# KiCad board Lon6Main.kicad_pcb (continued)
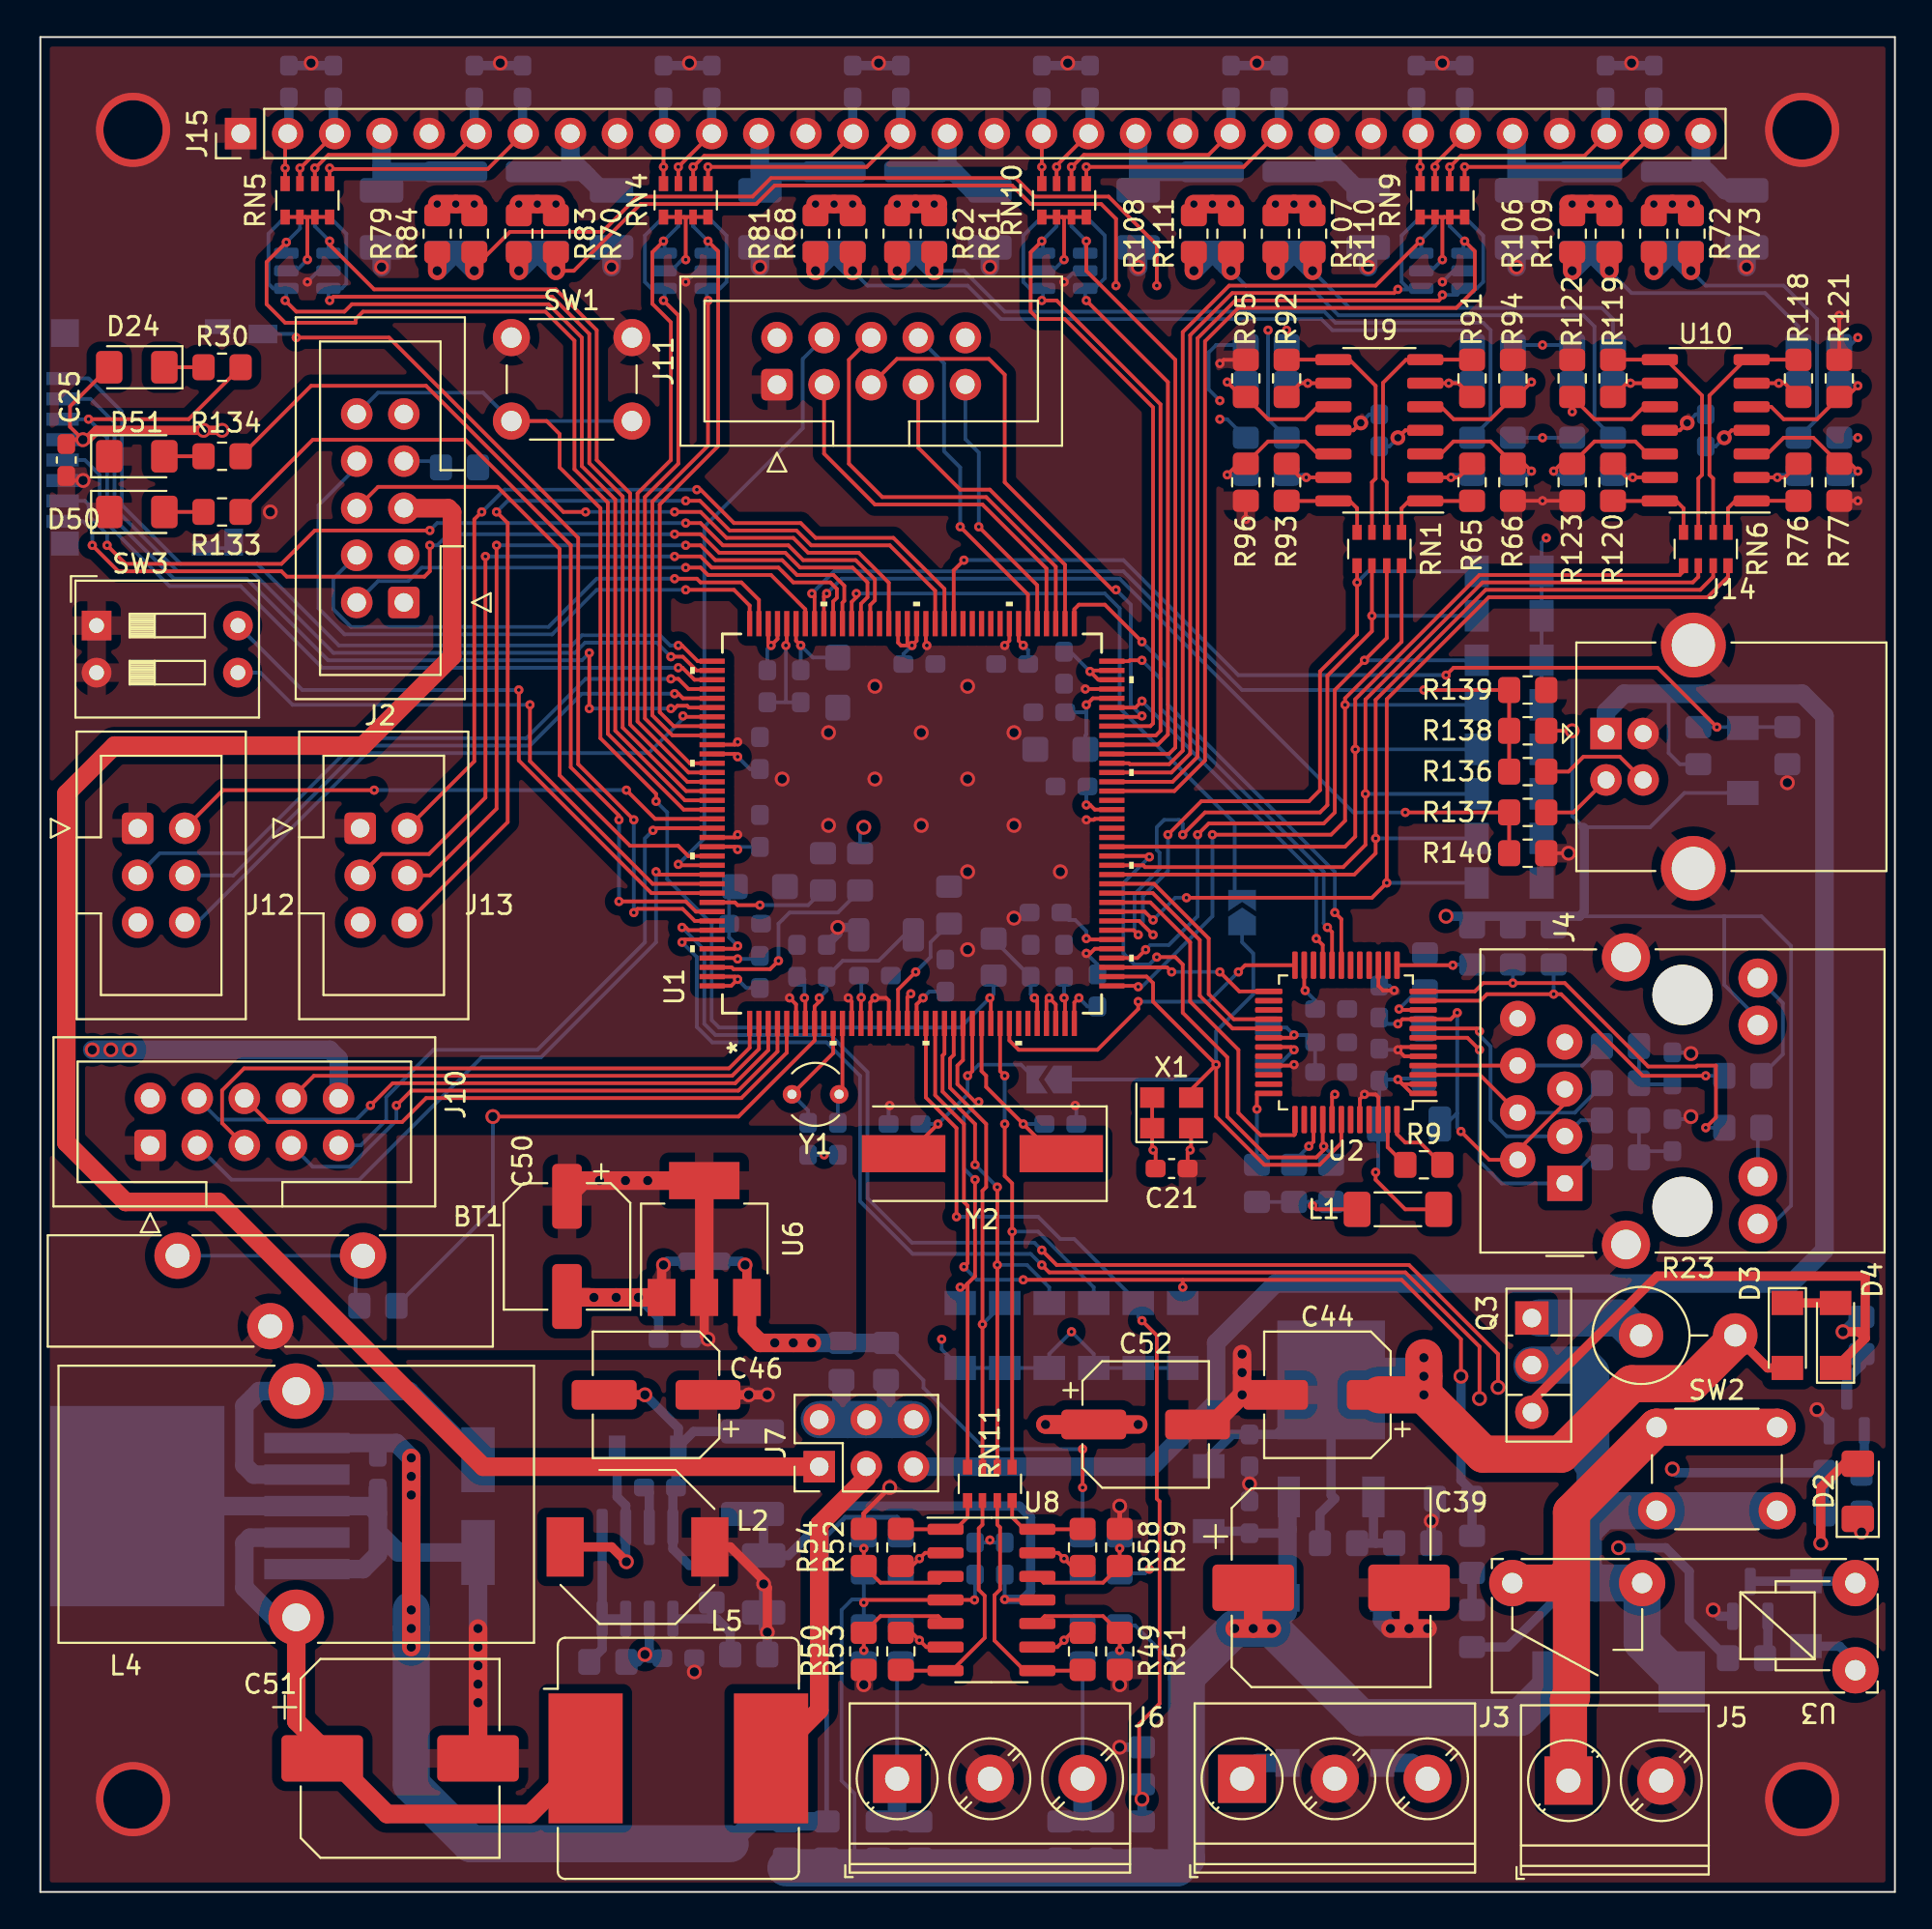
[diagram p0: board, top side]
## Placement (name value [footprint] x y rotation side) (continued)
R139  330k  [R_0805_2012Metric_Pad1.20x1.40mm_HandSolder]  80.2 64.8 180 top
R140  330k  [R_0805_2012Metric_Pad1.20x1.40mm_HandSolder]  80.2 56 180 top
R141  18k  [R_0805_2012Metric_Pad1.20x1.40mm_HandSolder]  89.4 61.8 270 bottom
R142  33k  [R_0805_2012Metric_Pad1.20x1.40mm_HandSolder]  94.2 61.8 90 bottom
RN1  4.7k  [R_Array_Convex_4x0603]  72.2 72.4 270 top
RN2  100  [R_Array_Convex_4x0603]  34.8 91.2 270 bottom
RN3  100  [R_Array_Convex_4x0603]  14.4 91.2 270 bottom
RN4  4.7k  [R_Array_Convex_4x0603]  34.8 91.2 90 top
RN5  4.7k  [R_Array_Convex_4x0603]  14.4 91.2 90 top
RN6  4.7k  [R_Array_Convex_4x0603]  89.8 72.4 270 top
RN7  100  [R_Array_Convex_4x0603]  75.6 91.2 270 bottom
RN8  100  [R_Array_Convex_4x0603]  55.2 91.2 270 bottom
RN9  4.7k  [R_Array_Convex_4x0603]  75.6 91.2 90 top
RN10  4.7k  [R_Array_Convex_4x0603]  55.2 91.2 90 top
RN11  4.7k  [R_Array_Convex_4x0603]  51.2 22 90 top
SW1  SW_Push  [SW_PUSH_6mm]  25.4 83.8 0 top
SW2  SW_Push  [SW_PUSH_6mm]  87.15 25.05 0 top
SW3  SW_DIP_x02  [SW_DIP_SPSTx02_Slide_9.78x7.26mm_W7.62mm_P2.54mm]  3.03 68.28 0 top
U1  STM32H725ZGT6  [LQFP_25ZGT6_STM]  47 57.6 90 top
U2  DM9161A  [LQFP-48_7x7mm_P0.5mm]  70.4 45.8 180 top
U3  SANYOU_SRB_S  [SANYOU_SRB]  97.87 16.65 180 top
U4  LM317_TO-252  [TO-252-2]  69.6 25.5 90 bottom
U5  MC34063AD  [SOIC-8_3.9x4.9mm_P1.27mm]  32.2 17.2 270 bottom
U6  LT1117-3.3  [SOT-223-3_TabPin2]  35.8 35.2 90 top
U7  LM2596S-5  [TO-263-5_TabPin3]  8.6 20.8 180 bottom
U8  TL074  [SOIC-14_3.9x8.7mm_P1.27mm]  51.28 15.74 0 top
U9  MCP6004  [SOIC-14_3.9x8.7mm_P1.27mm]  72.2 78.8 180 top
U10  MCP6004  [SOIC-14_3.9x8.7mm_P1.27mm]  89.8 78.8 180 top
U11  PE1805C4A6  [SOT-23-6]  34.8 87.4 180 bottom
U12  PE1805C4A6  [SOT-23-6]  14.4 87.4 180 bottom
U13  PE1805C4A6  [SOT-23-6]  75.6 87.4 180 bottom
U14  PE1805C4A6  [SOT-23-6]  55.2 87.4 180 bottom
X1  ASE-xxxMHz  [Oscillator_SMD_Abracon_ASE-4Pin_3.2x2.5mm]  61 42 0 top
Y1  Crystal  [Crystal_AT310_D3.0mm_L10.0mm_Vertical]  43.07 43 180 top
Y2  25MHz  [Crystal_SMD_HC49-SD]  50.8 39.8 180 top

## Footprints (pads in the part's own frame, mm; a bottom-side part is the same pattern mirrored in y, then rotated)
C_0603_1608Metric_Pad1.08x0.95mm_HandSolder
  rrect 1.075x0.95 smd: 1(-0.863,0) 2(0.863,0)
C_1206_3216Metric
  rrect 1.15x1.8 smd: 1(-1.475,0) 2(1.475,0)
CP_EIA-3216-18_Kemet-A
  rrect 1.4x1.35 smd: 1(-1.35,0) 2(1.35,0)
CP_EIA-3528-21_Kemet-B
  rrect 1.325x2.35 smd: 1(-1.538,0) 2(1.538,0)
CP_Elec_6.3x5.3
  rrect 3.5x1.6 smd: 1(-2.8,0) 2(2.8,0)
CP_Elec_6.3x5.7
  rrect 3.5x1.6 smd: 1(-2.7,0) 2(2.7,0)
CP_Elec_6.3x5.9
  rrect 3.5x1.6 smd: 1(-2.8,0) 2(2.8,0)
CP_Elec_10x10.5
  rrect 4.4x2.5 smd: 1(-4.2,0) 2(4.2,0)
Crystal_AT310_D3.0mm_L10.0mm_Vertical
  round 1 hole 0.5: 1(0,0) 2(2.54,0)
Crystal_SMD_HC49-SD
  rect 4.5x2 smd: 1(-4.25,0) 2(4.25,0)
D_MiniMELF
  rect 1.3x1.7 smd: 1(-1.75,0) 2(1.75,0)
D_SMA_Handsoldering
  rect 3.5x1.8 smd: 1(-2.5,0) 2(2.5,0)
D_SMC
  rect 2.5x3.3 smd: 1(-3.4,0) 2(3.4,0)
D_SOD-123
  rect 0.9x1.2 smd: 1(-1.65,0) 2(1.65,0)
Diode_Bridge_OnSemi_SDIP-4L
  rect 1.5x1.3 smd: 1(-4.45,2.55) 2(-4.45,-2.55) 3(4.45,-2.55) 4(4.45,2.55)
DS-1092_CR2032_VERTICAL
  round 2.5 hole 1.3: 1(-5,1.9) 1(5,1.9) 2(0,-1.9)
IDC-Header_2x03_P2.54mm_Vertical
  rrect 1.7x1.7 hole 1: 1(0,0)
  round 1.7 hole 1: 2(2.54,0) 3(0,-2.54) 4(2.54,-2.54) 5(0,-5.08) 6(2.54,-5.08)
IDC-Header_2x05_P2.54mm_Vertical
  rrect 1.7x1.7 hole 1: 1(0,0)
  round 1.7 hole 1: 2(2.54,0) 3(0,-2.54) 4(2.54,-2.54) 5(0,-5.08) 6(2.54,-5.08) 7(0,-7.62) 8(2.54,-7.62) 9(0,-10.16) 10(2.54,-10.16)
L_1206_3216Metric_Pad1.22x1.90mm_HandSolder
  rrect 1.225x1.9 smd: 1(-1.663,0) 2(1.663,0)
L_1806_4516Metric_Pad1.45x1.90mm_HandSolder
  rrect 1.45x1.9 smd: 1(-2.2,0) 2(2.2,0)
L_1812_4532Metric
  rrect 1.125x3.4 smd: 1(-2.138,0) 2(2.138,0)
L_1812_4532Metric_Pad1.30x3.40mm_HandSolder
  rrect 1.3x3.4 smd: 1(-2.225,0) 2(2.225,0)
L_Bourns-SRU8028_8.0x8.0mm
  rect 2x3.2 smd: 1(-3.9,0) 2(3.9,0)
L_Bourns_SRR1208_12.7x12.7mm
  rect 4x7 smd: 1(-5,0) 2(5,0)
L_Toroid_Vertical_L25.4mm_W14.7mm_P12.20mm_Vishay_TJ5_BigPads
  round 3 hole 1.5: 1(0,0) 2(0,-12.2)
LED_1206_3216Metric_Pad1.42x1.75mm_HandSolder
  rrect 1.425x1.75 smd: 1(-1.488,0) 2(1.488,0)
LQFP-48_7x7mm_P0.5mm
  rrect 1.475x0.3 smd: 1(-4.162,2.75) 2(-4.162,2.25) 3(-4.162,1.75) 4(-4.162,1.25) 5(-4.162,0.75) 6(-4.162,0.25) 7(-4.162,-0.25) 8(-4.162,-0.75) 9(-4.162,-1.25) 10(-4.162,-1.75) 11(-4.162,-2.25) 12(-4.162,-2.75) 25(4.162,-2.75) 26(4.162,-2.25) 27(4.162,-1.75) 28(4.162,-1.25) 29(4.162,-0.75) 30(4.162,-0.25) 31(4.162,0.25) 32(4.162,0.75) 33(4.162,1.25) 34(4.162,1.75) 35(4.162,2.25) 36(4.162,2.75)
  rrect 0.3x1.475 smd: 13(-2.75,-4.162) 14(-2.25,-4.162) 15(-1.75,-4.162) 16(-1.25,-4.162) 17(-0.75,-4.162) 18(-0.25,-4.162) 19(0.25,-4.162) 20(0.75,-4.162) 21(1.25,-4.162) 22(1.75,-4.162) 23(2.25,-4.162) 24(2.75,-4.162) 37(2.75,4.162) 38(2.25,4.162) 39(1.75,4.162) 40(1.25,4.162) 41(0.75,4.162) 42(0.25,4.162) 43(-0.25,4.162) 44(-0.75,4.162) 45(-1.25,4.162) 46(-1.75,4.162) 47(-2.25,4.162) 48(-2.75,4.162)
LQFP_25ZGT6_STM
  rect 1.359x0.279 smd: 1(-10.776,8.752) 2(-10.776,8.252) 3(-10.776,7.752) 4(-10.776,7.252) 5(-10.776,6.752) 6(-10.776,6.252) 7(-10.776,5.751) 8(-10.776,5.251) 9(-10.776,4.751) 10(-10.776,4.251) 11(-10.776,3.751) 12(-10.776,3.251) 13(-10.776,2.751) 14(-10.776,2.251) 15(-10.776,1.75) 16(-10.776,1.25) 17(-10.776,0.75) 18(-10.776,0.25) 19(-10.776,-0.25) 20(-10.776,-0.75) 21(-10.776,-1.25) 22(-10.776,-1.75) 23(-10.776,-2.251) 24(-10.776,-2.751) 25(-10.776,-3.251) 26(-10.776,-3.751) 27(-10.776,-4.251) 28(-10.776,-4.751) 29(-10.776,-5.251) 30(-10.776,-5.751) 31(-10.776,-6.252) 32(-10.776,-6.752) 33(-10.776,-7.252) 34(-10.776,-7.752) 35(-10.776,-8.252) 36(-10.776,-8.752) 73(10.776,-8.752) 74(10.776,-8.252) 75(10.776,-7.752) 76(10.776,-7.252) 77(10.776,-6.752) 78(10.776,-6.252) 79(10.776,-5.751) 80(10.776,-5.251) 81(10.776,-4.751) 82(10.776,-4.251) 83(10.776,-3.751) 84(10.776,-3.251) 85(10.776,-2.751) 86(10.776,-2.251) 87(10.776,-1.75) 88(10.776,-1.25) 89(10.776,-0.75) 90(10.776,-0.25) 91(10.776,0.25) 92(10.776,0.75) 93(10.776,1.25) 94(10.776,1.75) 95(10.776,2.251) 96(10.776,2.751) 97(10.776,3.251) 98(10.776,3.751) 99(10.776,4.251) 100(10.776,4.751) 101(10.776,5.251) 102(10.776,5.751) 103(10.776,6.252) 104(10.776,6.752) 105(10.776,7.252) 106(10.776,7.752) 107(10.776,8.252) 108(10.776,8.752)
  rect 0.279x1.359 smd: 37(-8.752,-10.776) 38(-8.252,-10.776) 39(-7.752,-10.776) 40(-7.252,-10.776) 41(-6.752,-10.776) 42(-6.252,-10.776) 43(-5.751,-10.776) 44(-5.251,-10.776) 45(-4.751,-10.776) 46(-4.251,-10.776) 47(-3.751,-10.776) 48(-3.251,-10.776) 49(-2.751,-10.776) 50(-2.251,-10.776) 51(-1.75,-10.776) 52(-1.25,-10.776) 53(-0.75,-10.776) 54(-0.25,-10.776) 55(0.25,-10.776) 56(0.75,-10.776) 57(1.25,-10.776) 58(1.75,-10.776) 59(2.251,-10.776) 60(2.751,-10.776) 61(3.251,-10.776) 62(3.751,-10.776) 63(4.251,-10.776) 64(4.751,-10.776) 65(5.251,-10.776) 66(5.751,-10.776) 67(6.252,-10.776) 68(6.752,-10.776) 69(7.252,-10.776) 70(7.752,-10.776) 71(8.252,-10.776) 72(8.752,-10.776) 109(8.752,10.776) 110(8.252,10.776) 111(7.752,10.776) 112(7.252,10.776) 113(6.752,10.776) 114(6.252,10.776) 115(5.751,10.776) 116(5.251,10.776) 117(4.751,10.776) 118(4.251,10.776) 119(3.751,10.776) 120(3.251,10.776) 121(2.751,10.776) 122(2.251,10.776) 123(1.75,10.776) 124(1.25,10.776) 125(0.75,10.776) 126(0.25,10.776) 127(-0.25,10.776) 128(-0.75,10.776) 129(-1.25,10.776) 130(-1.75,10.776) 131(-2.251,10.776) 132(-2.751,10.776) 133(-3.251,10.776) 134(-3.751,10.776) 135(-4.251,10.776) 136(-4.751,10.776) 137(-5.251,10.776) 138(-5.751,10.776) 139(-6.252,10.776) 140(-6.752,10.776) 141(-7.252,10.776) 142(-7.752,10.776) 143(-8.252,10.776) 144(-8.752,10.776)
microSD_HC_Hirose_DM3D-SF
  rect 0.7x1.75 smd: 1(3.175,-5.35) 2(2.075,-5.35) 3(0.975,-5.35) 4(-0.125,-5.35) 5(-1.225,-5.35) 6(-2.325,-5.35) 7(-3.425,-5.35) 8(-4.525,-5.35)
  rect 1.45x1 smd: 9(-5.65,3.875)
  rect 1x1.55 smd: 10(5.575,5.45)
  rect 0.8x1.5 smd: 11(-5.975,2.375)
  rect 1.3x1.5 smd: 11(-5.725,-5.225)
  rect 1.5x1.5 smd: 11(5.625,-5.225)
  rect 0.8x1.4 smd: 11(5.975,3.025)
Oscillator_SMD_Abracon_ASE-4Pin_3.2x2.5mm
  rect 1.3x1.1 smd: 1(-1.05,-0.825) 2(1.05,-0.825) 3(1.05,0.825) 4(-1.05,0.825)
PinHeader_1x32_P2.54mm_Vertical
  rect 1.7x1.7 hole 1: 1(0,0)
  oval 1.7x1.7 hole 1: 2(0,-2.54) 3(0,-5.08) 4(0,-7.62) 5(0,-10.16) 6(0,-12.7) 7(0,-15.24) 8(0,-17.78) 9(0,-20.32) 10(0,-22.86) 11(0,-25.4) 12(0,-27.94) 13(0,-30.48) 14(0,-33.02) 15(0,-35.56) 16(0,-38.1) 17(0,-40.64) 18(0,-43.18) 19(0,-45.72) 20(0,-48.26) 21(0,-50.8) 22(0,-53.34) 23(0,-55.88) 24(0,-58.42) 25(0,-60.96) 26(0,-63.5) 27(0,-66.04) 28(0,-68.58) 29(0,-71.12) 30(0,-73.66) 31(0,-76.2) 32(0,-78.74)
PinHeader_2x03_P2.54mm_Vertical
  rect 1.7x1.7 hole 1: 1(0,0)
  oval 1.7x1.7 hole 1: 2(2.54,0) 3(0,-2.54) 4(2.54,-2.54) 5(0,-5.08) 6(2.54,-5.08)
R_0805_2012Metric_Pad1.20x1.40mm_HandSolder
  rrect 1.2x1.4 smd: 1(-1,0) 2(1,0)
R_Array_Convex_4x0603
  rect 0.8x0.5 smd: 1(-0.9,1.2) 4(-0.9,-1.2) 5(0.9,-1.2) 8(0.9,1.2)
  rect 0.8x0.4 smd: 2(-0.9,0.4) 3(-0.9,-0.4) 6(0.9,-0.4) 7(0.9,0.4)
R_Axial_DIN0516_L15.5mm_D5.0mm_P5.08mm_Vertical
  round 2.4 hole 1.2: 1(0,0)
  oval 2.4x2.4 hole 1.2: 2(5.08,0)
RJ45_Bel_SI-60062-F
  round 3.25 hole 3.25 unplated: (-1.27,-6.35) (10.16,-6.35)
  rect 1.9x1.9 hole 0.9: 1(0,0)
  round 1.9 hole 0.9: 2(1.27,2.54) 3(2.54,0) 4(3.81,2.54) 5(5.08,0) 6(6.35,2.54) 7(7.62,0) 8(8.89,2.54)
  round 2.1 hole 1.1: L1(-2.18,-10.41) L2(0.36,-10.41) L3(8.53,-10.41) L4(11.07,-10.41)
  round 2.6 hole 1.6: SH(-3.3,-3.3) SH(12.19,-3.3)
SANYOU_SRB
  round 2.5 hole 1.1: 1(0,0) 2(0,4.7) 3(11.5,0) 4(18.5,0)
SOIC-8_3.9x4.9mm_P1.27mm
  rrect 1.95x0.6 smd: 1(-2.475,1.905) 2(-2.475,0.635) 3(-2.475,-0.635) 4(-2.475,-1.905) 5(2.475,-1.905) 6(2.475,-0.635) 7(2.475,0.635) 8(2.475,1.905)
SOIC-14_3.9x8.7mm_P1.27mm
  rrect 1.95x0.6 smd: 1(-2.475,3.81) 2(-2.475,2.54) 3(-2.475,1.27) 4(-2.475,0) 5(-2.475,-1.27) 6(-2.475,-2.54) 7(-2.475,-3.81) 8(2.475,-3.81) 9(2.475,-2.54) 10(2.475,-1.27) 11(2.475,0) 12(2.475,1.27) 13(2.475,2.54) 14(2.475,3.81)
SolderJumper-2_P1.3mm_Open_TrianglePad1.0x1.5mm
  custom 1.5x1.5 smd: 1(-0.725,0)
  custom 1.15x1.5 smd: 2(0.725,0)
SOT-23
  rrect 1.475x0.6 smd: 1(-0.938,0.95) 2(-0.938,-0.95) 3(0.938,0)
SOT-23-6
  rrect 1.325x0.6 smd: 1(-1.137,0.95) 2(-1.137,0) 3(-1.137,-0.95) 4(1.137,-0.95) 5(1.137,0) 6(1.137,0.95)
SOT-223-3_TabPin2
  rect 2x1.5 smd: 1(-3.15,2.3) 2(-3.15,0) 3(-3.15,-2.3)
  rect 2x3.8 smd: 2(3.15,0)
SW_DIP_SPSTx02_Slide_9.78x7.26mm_W7.62mm_P2.54mm
  rect 1.6x1.6 hole 0.8: 1(0,0)
  oval 1.6x1.6 hole 0.8: 2(0,-2.54) 3(7.62,-2.54) 4(7.62,0)
SW_PUSH_6mm
  round 2 hole 1.1: 1(0,0) 1(6.5,0) 2(0,-4.5) 2(6.5,-4.5)
TerminalBlock_Phoenix_PT-1,5-2-5.0-H_1x02_P5.00mm_Horizontal
  rect 2.6x2.6 hole 1.3: 1(0,0)
  round 2.6 hole 1.3: 2(5,0)
TerminalBlock_Phoenix_PT-1,5-3-5.0-H_1x03_P5.00mm_Horizontal
  rect 2.6x2.6 hole 1.3: 1(0,0)
  round 2.6 hole 1.3: 2(5,0) 3(10,0)
TO-126-3_Vertical
  rect 1.8x1.8 hole 1: 1(0,0)
  oval 1.8x1.8 hole 1: 2(2.54,0) 3(5.08,0)
TO-252-2
  rect 3.05x2.75 smd: (0.425,-1.525) (0.425,1.525) (3.775,-1.525) (3.775,1.525)
  rect 2.2x1.2 smd: 1(-4.2,2.28) 3(-4.2,-2.28)
  rect 6.4x5.8 smd: 2(2.1,0)
TO-263-5_TabPin3
  rect 4.55x5.25 smd: (0.95,-2.775) (0.95,2.775) (5.8,-2.775) (5.8,2.775)
  rect 4.6x1.1 smd: 1(-5.775,3.4) 2(-5.775,1.7) 3(-5.775,0) 4(-5.775,-1.7) 5(-5.775,-3.4)
  rect 9.4x10.8 smd: 3(3.375,0)
USB_B_OST_USB-B1HSxx_Horizontal
  rect 1.7x1.7 hole 0.92: 1(0,0)
  round 1.7 hole 0.92: 2(0,-2.5) 3(2,-2.5) 4(2,0)
  round 3.5 hole 2.33: 5(4.71,4.77) 5(4.71,-7.27)

## Nets
+5V: C41.1 C52.1 C61.1 C71.1 D1.1 D2.2 D10.1 D11.1 D12.1 D13.1 D14.1 D15.1 D16.1 D17.1 J7.2 J7.4 J7.6 J10.10 J11.10 R31.1 R41.1 R42.1 R47.1 R61.2 R62.2 R63.1 R68.2 R70.2 R72.2 R73.2 R74.1 R79.2 R81.2 R83.2 R84.2 R85.1 R87.1 R89.1 R106.2 R107.2 R108.2 R109.2 R110.2 R111.2 R112.1 R114.1 R116.1 RN4.1 RN4.2 RN4.3 RN4.4 RN5.1 RN5.2 RN5.3 RN5.4 RN9.1 RN9.2 RN9.3 RN9.4 RN10.1 RN10.2 RN10.3 RN10.4 U3.2 U5.6 U9.4 U10.4 U11.5 U12.5 U13.5 U14.5
+15V: C43.1 C44.1 D3.2 D6.2 R23.2 R27.2 U4.2
-5V: C48.2 C54.2 L3.2 U8.11
/5V_JTAG: J2.5 J7.1
/5V_USB: J7.5 J14.1 R141.2
/VBAT: C8.1 C10.1 R2.2 U1.8
GND: BT1.2 C1.2 C2.2 C3.1 C4.1 C5.2 C6.2 C7.2 C8.2 C9.2 C10.2 C11.2 C12.2 C13.2 C14.1 C15.2 C16.2 C17.2 C18.2 C19.1 C20.2 C21.2 C22.2 C23.2 C24.2 C25.2 C26.2 C27.2 C29.2 C30.2 C31.2 C32.2 C33.2 C34.2 C35.1 C36.1 C37.2 C38.2 C39.2 C40.2 C41.2 C43.2 C44.2 C45.2 C46.1 C47.2 C48.1 C49.2 C50.2 C51.2 C52.2 C53.2 C54.1 C55.2 C56.2 C57.2 C58.2 C59.2 C60.2 C61.2 C62.2 C63.2 C64.2 C65.2 C66.2 C67.2 C68.2 C69.2 C70.2 C71.2 C72.2 C73.2 C74.2 C75.2 C76.2 C77.2 C78.2 C79.2 C80.2 D5.2 D9.2 D50.1 D51.1 J1.6 J1.9 J1.11 J2.3 J3.2 J4.8 J4.SH J5.2 J6.2 J10.1 J11.1 J12.1 J13.1 J14.4 J14.5 J15.1 J15.5 J15.9 J15.13 J15.17 J15.21 J15.25 J15.29 L2.2 Q1.2 Q2.2 R3.2 R5.2 R7.1 R25.1 R28.1 R29.1 R34.1 R51.2 R53.2 R54.2 R59.2 R66.2 R77.2 R94.2 R95.2 R96.2 R121.2 R122.2 R123.2 R135.1 R139.1 R140.1 R142.1 SW1.1 SW3.1 SW3.2 U1.6 U1.12 U1.14 U1.16 U1.18 U1.33 U1.34 U1.41 U1.55 U1.69 U1.80 U1.89 U1.104 U1.118 U1.128 U1.141 U2.5 U2.6 U2.15 U2.33 U2.44 U2.46 U6.1 U7.3 U7.5 U9.11 U10.11 U11.2 U12.2 U13.2 U14.2 X1.2
VDD: C2.1 C15.1 C16.1 C17.1 C18.1 C20.1 C21.1 C22.1 C23.1 C24.1 C25.1 C26.1 C27.1 C29.1 C30.1 C31.1 C32.1 C33.1 C34.1 C49.1 C50.1 D18.1 D19.1 D20.1 D21.1 D22.1 D23.1 D24.2 D52.1 J1.4 J2.1 J4.L1 J4.L3 J10.2 J11.2 J12.5 J13.5 L1.1 R1.1 R4.2 R6.1 R8.1 R10.2 R33.2 R55.2 R56.2 R60.1 R138.2 U1.7 U1.13 U1.19 U1.32 U1.36 U1.42 U1.56 U1.70 U1.71 U1.79 U1.90 U1.91 U1.92 U1.105 U1.106 U1.119 U1.129 U1.143 U1.144 U2.23 U2.30 U2.41 U6.2 X1.1 X1.4
VDDA: C37.1 C38.1 FB1.1 L1.2 U2.1 U2.2
/C_SENSE_CORE: D23.2 RN11.5 U1.28
/C_SENSE_EXT_A: D22.2 RN11.7 U1.23
/C_SENSE_EXT_B: D20.2 RN11.6 U1.22
/C_SENSE_MAIN: D21.2 RN11.8 U1.24
/C_SENSE_PORT0: D14.2 RN6.8 U1.45
/C_SENSE_PORT1: D15.2 RN6.7 U1.49
/C_SENSE_PORT2: D16.2 RN6.6 U1.50
/C_SENSE_PORT3: D17.2 RN6.5 U1.52
/C_SENSE_PORT4: D10.2 RN1.8 U1.37
/C_SENSE_PORT5: D11.2 RN1.7 U1.40
/C_SENSE_PORT6: D12.2 RN1.6 U1.43
/C_SENSE_PORT7: D13.2 RN1.5 U1.44
/CAN_RX: J12.3 U1.112
/CAN_TX: J12.4 U1.113
/CAN_U1: J12.6 U1.115
/CAN_U2: J12.2 U1.126
/CLK_50MHZ: JP1.1 JP2.1 U1.38 U2.42 X1.3
/ETH_CRS_DV: U1.46 U2.37
/ETH_MDC: U1.29 U2.24
/ETH_MDIO: U1.39 U2.25
/ETH_RESET: R6.2 U1.51 U2.40
/ETH_RXD0: U1.47 U2.29
/ETH_RXD1: U1.48 U2.28
/ETH_TXD0: U1.72 U2.20
/ETH_TXD1: U1.73 U2.19
/ETH_TXEN: U1.67 U2.21
/Ethernet/L0: R13.1 R33.1 U2.11
/Ethernet/L1: R14.1 R55.1 U2.12
/Ethernet/L2: R56.1 U2.13
/Ethernet/RD+: J4.4 R11.2 U2.3
/Ethernet/RD-: J4.6 R12.2 U2.4
/Ethernet/TD+: J4.1 R15.2 U2.7
/Ethernet/TD-: J4.3 R16.2 U2.8
/LED1: R133.2 U1.136
/LED2: R134.2 U1.137
/MCO1: JP1.2 U1.97
/PIN_CLK0: C78.1 J15.31 RN7.4 RN9.5
/PIN_CLK1: C76.1 J15.27 RN7.2 RN9.7
/PIN_CLK2: C69.1 J15.23 RN8.4 RN10.5
/PIN_CLK3: C77.1 J15.19 RN8.2 RN10.7
/PIN_CLK4: C68.1 J15.15 RN2.4 RN4.5
/PIN_CLK5: C60.1 J15.11 RN2.2 RN4.7
/PIN_CLK6: C56.1 J15.7 RN3.4 RN5.5
/PIN_CLK7: C65.1 J15.3 RN3.2 RN5.7
/PIN_DATA0: C70.1 J15.30 RN7.3 RN9.6
/PIN_DATA1: C79.1 J15.26 RN7.1 RN9.8
/PIN_DATA2: C75.1 J15.22 RN8.3 RN10.6
/PIN_DATA3: C80.1 J15.18 RN8.1 RN10.8
/PIN_DATA4: C57.1 J15.14 RN2.3 RN4.6
/PIN_DATA5: C66.1 J15.10 RN2.1 RN4.8
/PIN_DATA6: C59.1 J15.6 RN3.3 RN5.6
/PIN_DATA7: C67.1 J15.2 RN3.1 RN5.8
/PIN_PWR0: C58.1 J15.32 L7.2
/PIN_PWR1: C72.1 J15.28 L11.2
/PIN_PWR2: C73.1 J15.24 L12.2
/PIN_PWR3: C74.1 J15.20 L13.2
/PIN_PWR4: C55.1 J15.16 L6.2
/PIN_PWR5: C62.1 J15.12 L8.2
/PIN_PWR6: C63.1 J15.8 L9.2
/PIN_PWR7: C64.1 J15.4 L10.2
/PORT_CLK0: RN7.5 U1.59 U13.3
/PORT_CLK1: RN7.7 U1.61 U13.6
/PORT_CLK2: RN8.5 U1.63 U14.3
/PORT_CLK3: RN8.7 U1.65 U14.6
/PORT_CLK4: RN2.5 U1.117 U11.3
/PORT_CLK5: RN2.7 U1.121 U11.6
/PORT_CLK6: RN3.5 U1.123 U12.3
/PORT_CLK7: RN3.7 U1.125 U12.6
/PORT_DATA0: RN7.6 U1.58 U13.1
/PORT_DATA1: RN7.8 U1.60 U13.4
/PORT_DATA2: RN8.6 U1.62 U14.1
/PORT_DATA3: RN8.8 U1.64 U14.4
/PORT_DATA4: RN2.6 U1.116 U11.1
/PORT_DATA5: RN2.8 U1.120 U11.4
/PORT_DATA6: RN3.6 U1.122 U12.1
/PORT_DATA7: RN3.8 U1.124 U12.4
/Power/V_MAIN: C39.1 C40.1 C53.1 D5.1 D6.1 D7.1 R17.1 R26.2 R35.2 R36.2 R37.2 R38.2 R39.1 R40.1 R43.1 R45.1 U4.3 U8.4
/PWR_ACU_ENA: R19.2 U1.139
/PWR_ACU_LOAD: R20.2 R21.1 U1.138
/RESET: J2.10 R1.2 SW1.2 U1.27
/SD_CLK: J1.5 U1.111
/SD_CMD: J1.3 R30.2 U1.114
/SD_D0: J1.7 U1.95
/SD_D1: J1.8 U1.96
/SD_D2: J1.1 U1.109
/SD_D3: J1.2 U1.110
/SD_DET_A: J1.10 U1.93
/SPI2_INT: J11.8 U1.78
/SPI2_MISO: J11.7 U1.74
/SPI2_MOSI: J11.6 U1.75
/SPI2_NSS: J11.4 U1.131
/SPI2_SCK: J11.5 U1.66
/SPI2_U1: J11.3 U1.76
/SPI2_U2: J11.9 U1.77
/SPI4_INT: J10.8 U1.2
/SPI4_MISO: J10.7 U1.4
/SPI4_MOSI: J10.6 U1.5
/SPI4_NSS: J10.4 U1.3
/SPI4_SCK: J10.5 U1.1
/SPI4_U1: J10.3 U1.132
/SPI4_U2: J10.9 U1.127
/SW_DIP_1: SW3.3 U1.133
/SW_DIP_2: SW3.4 U1.134
/TCK: J2.4 U1.107
/TDI: J2.8 U1.108
/TDO: J2.6 U1.130
/TMS: J2.2 U1.102
/USART_RXD: J13.3 U1.99
/USART_TXD: J13.4 U1.98
/USART_U1: J13.6 U1.88
/USART_U2: J13.2 U1.87
/USB_DM: R137.2 R140.2 U1.100
/USB_DP: R136.2 R138.1 R139.2 U1.101
/USB_SENSE: D52.2 R141.1 R142.2 U1.86
/V_SENSE_ACU: D18.2 R24.1 R25.2 U1.21
/V_SENSE_MAIN: D19.2 R26.1 R29.2 U1.20
/VCAP1: C6.1 C7.1 U1.68
/VCAP2: C9.1 C11.1 U1.140
/VCAP3: C12.1 C13.1 U1.103
Net-(BT1-Pad1): BT1.1 R2.1
Net-(C1-Pad1): C1.1 FB1.2 J4.2 J4.5 U2.9
Net-(C3-Pad2): C3.2 U1.10 Y1.2
Net-(C4-Pad2): C4.2 U1.11 Y1.1
Net-(C5-Pad1): C5.1 U1.35
Net-(C14-Pad2): C14.2 JP2.2 U1.25 Y2.2
Net-(C19-Pad2): C19.2 U1.26 Y2.1
Net-(C35-Pad2): C35.2 R11.1 R12.1
Net-(C36-Pad2): C36.2 R15.1 R16.1
Net-(C42-Pad1): C42.1 U5.3
Net-(C42-Pad2): C42.2 C46.2 D8.2 L3.1 R32.2 U5.4
Net-(C45-Pad1): C45.1 R41.2 R42.2 R48.1 U6.3
Net-(C47-Pad1): C47.1 R39.2 R40.2 R46.1 U7.1
Net-(C51-Pad1): C51.1 L4.2 L5.1 U7.4
Net-(D1-Pad2): D1.2 Q1.3 U3.1
Net-(D2-Pad1): D2.1 R21.2
Net-(D3-Pad1): D3.1 D4.2
Net-(D4-Pad1): D4.1 Q3.3 R22.2
Net-(D5-Pad3): D5.3 J3.3
Net-(D5-Pad4): D5.4 J3.1
Net-(D7-Pad2): D7.2 Q3.2 R57.2 SW2.2 U3.3
Net-(D8-Pad1): D8.1 L2.1 U5.2
Net-(D9-Pad1): D9.1 L4.1 U7.2
Net-(D24-Pad1): D24.1 R30.1
Net-(D50-Pad2): D50.2 R133.1
Net-(D51-Pad2): D51.2 R134.1
Net-(J2-Pad7): J2.7 R3.1
Net-(J4-PadL2): J4.L2 R14.2
Net-(J4-PadL4): J4.L4 R13.2
Net-(J5-Pad1): J5.1 SW2.1 U3.4
Net-(J6-Pad1): J6.1 R35.1 R36.1 R44.1
Net-(J6-Pad3): J6.3 R18.1 R37.1 R38.1
Net-(J7-Pad3): J7.3 L5.2
Net-(J14-Pad2): J14.2 R137.1
Net-(J14-Pad3): J14.3 R136.1
Net-(L6-Pad1): L6.1 R61.1 R62.1 R64.1
Net-(L7-Pad1): L7.1 R72.1 R73.1 R75.1
Net-(L8-Pad1): L8.1 R68.1 R81.1 R86.1
Net-(L9-Pad1): L9.1 R70.1 R83.1 R88.1
Net-(L10-Pad1): L10.1 R79.1 R84.1 R90.1
Net-(L11-Pad1): L11.1 R106.1 R109.1 R113.1
Net-(L12-Pad1): L12.1 R107.1 R110.1 R115.1
Net-(L13-Pad1): L13.1 R108.1 R111.1 R117.1
Net-(Q1-Pad1): Q1.1 R19.1
Net-(Q2-Pad1): Q2.1 R20.1
Net-(Q2-Pad3): Q2.3 R22.1
Net-(Q3-Pad1): Q3.1 R23.1
Net-(R4-Pad1): R4.1 U1.142
Net-(R5-Pad1): R5.1 U1.135
Net-(R7-Pad2): R7.2 U2.10
Net-(R8-Pad2): R8.2 U2.39
Net-(R9-Pad1): R9.1 U2.47
Net-(R9-Pad2): R9.2 U2.48
Net-(R10-Pad1): R10.1 U2.31
Net-(R17-Pad2): R17.2 R51.1 U8.10
Net-(R18-Pad2): R18.2 R49.1 U8.9
Net-(R24-Pad2): R24.2 R57.1
Net-(R27-Pad1): R27.1 R28.2 U4.1
Net-(R31-Pad2): R31.2 U5.1 U5.7 U5.8
Net-(R32-Pad1): R32.1 R34.2 U5.5
Net-(R43-Pad2): R43.2 R53.1 U8.5
Net-(R44-Pad2): R44.2 R50.1 U8.6
Net-(R45-Pad2): R45.2 R54.1 U8.3
Net-(R46-Pad2): R46.2 R52.1 U8.2
Net-(R47-Pad2): R47.2 R59.1 U8.12
Net-(R48-Pad2): R48.2 R58.1 U8.13
Net-(R49-Pad2): R49.2 RN11.3 U8.8
Net-(R50-Pad2): R50.2 RN11.2 U8.7
Net-(R52-Pad2): R52.2 RN11.1 U8.1
Net-(R58-Pad2): R58.2 RN11.4 U8.14
Net-(R60-Pad2): R60.2 U2.36
Net-(R63-Pad2): R63.2 R66.1 U9.3
Net-(R64-Pad2): R64.2 R65.1 U9.2
Net-(R65-Pad2): R65.2 RN1.1 U9.1
Net-(R74-Pad2): R74.2 R77.1 U10.3
Net-(R75-Pad2): R75.2 R76.1 U10.2
Net-(R76-Pad2): R76.2 RN6.1 U10.1
Net-(R85-Pad2): R85.2 R94.1 U9.5
Net-(R86-Pad2): R86.2 R91.1 U9.6
Net-(R87-Pad2): R87.2 R95.1 U9.10
Net-(R88-Pad2): R88.2 R92.1 U9.9
Net-(R89-Pad2): R89.2 R96.1 U9.12
Net-(R90-Pad2): R90.2 R93.1 U9.13
Net-(R91-Pad2): R91.2 RN1.2 U9.7
Net-(R92-Pad2): R92.2 RN1.3 U9.8
Net-(R93-Pad2): R93.2 RN1.4 U9.14
Net-(R112-Pad2): R112.2 R121.1 U10.5
Net-(R113-Pad2): R113.2 R118.1 U10.6
Net-(R114-Pad2): R114.2 R122.1 U10.10
Net-(R115-Pad2): R115.2 R119.1 U10.9
Net-(R116-Pad2): R116.2 R123.1 U10.12
Net-(R117-Pad2): R117.2 R120.1 U10.13
Net-(R118-Pad2): R118.2 RN6.2 U10.7
Net-(R119-Pad2): R119.2 RN6.3 U10.8
Net-(R120-Pad2): R120.2 RN6.4 U10.14
Net-(R135-Pad2): R135.2 U1.17

Pads without a net: J2 9; J4 7; U1 9 15 30 31 53 54 57 81 82 83 84 85 94; U2 14 16 17 18 22 26 27 32 34 35 38 43 45

## Via types
v1: diameter 0.5, hole 0.2, Top to Bottom, 265 vias
v2: diameter 0.8, hole 0.5, Top to Bottom, 127 vias
v3: diameter 4, hole 3.2, Top to Bottom, 4 vias
v4: diameter 0.8, hole 0.4, Top to Bottom, 28 vias

## Routing (per net, layer and track width the routed paths; a pad name or vN(x,y) marks a point on that pad's centre or on a via; arc(x,y) is an arc through that point)
+5V: length 137.8
  Top w0.2: 14.3,90.3 14.4,90.2 v1(14.4,88) ; 14.3,90.3 RN5.3 RN5.4 ; 14.3,90.3 RN5.2 RN5.1 ; RN4.1 RN4.2 34.7,90.3 ; v4(73.2,78.4) 73.6,78.8 74.68,78.8 ; RN9.4 RN9.3 75.7,90.3 ; 34.7,90.3 RN4.3 RN4.4 ; 34.7,90.3 34.8,90.2 v1(34.8,88) ; 75.7,90.3 RN9.2 RN9.1 ; 75.7,90.3 75.6,90.2 v1(75.6,88) ; RN10.4 RN10.3 55.1,90.3 ; 55.1,90.3 RN10.2 RN10.1 ; 55.1,90.3 55.2,90.2 v1(55.2,88) ; v4(90.8,78.4) 91.2,78.8 U10.4
  Top w0.5: R70.2 v4(27.8,91) ; R110.2 v4(68.6,91) ; R72.2 v4(87,91) ; R73.2 v4(89,91) ; R79.2 v4(21.4,91) ; R111.2 v4(64.2,91) ; 82.4,91 82.6,90.8 R106.2 ; v2(96,18.8) 96,21.8 97.29,23.09 D2.2 ; R81.2 v4(41.8,91) ; R108.2 v4(62.2,91) ; R68.2 v4(43.8,91) ; R61.2 48.2,90.8 48.4,91 ; R83.2 v4(25.8,91) ; R84.2 v4(23.4,91) ; R107.2 v4(66.6,91) ; R109.2 v4(84.6,91) ; R62.2 v4(46.2,91)
  Top w1: v4(64.2,91) v4(63.2,91) v4(62.2,91) ; v4(21.4,91) v4(22.4,91) v4(23.4,91) ; v4(41.8,91) v4(42.8,91) v4(43.8,91) ; v4(89,91) v4(88,91) v4(87,91) ; C52.1 v2(54.2,25.2) v2(59.2,25.2) ; 82.4,91 v4(82.6,91) v4(83.6,91) v4(84.6,91) ; v4(46.2,91) v4(47.2,91) v4(48.2,91) 48.4,91 ; v4(25.8,91) v4(26.8,91) v4(27.8,91) ; v4(66.6,91) v4(67.6,91) v4(68.6,91)
  Bottom w0.2: v1(59.8,17.4) 59.57,17.17 R47.1 ; v1(98,83.8) 97.6,83.4 R112.1 ; U13.5 75,87.4 v1(75.6,88) ; v1(81.2,73) 80.95,72.75 D13.1 D12.1 D11.1 D10.1 D17.1 D16.1 D15.1 D14.1 ; C61.1 72.74,77.94 v4(73.2,78.4) ; R114.1 v1(81,83.4) R85.1 ; R87.1 63.4,83.4 63,83 63,81 v1(63.6,80.4) ; v1(14.4,88) 13.8,87.4 U12.5 ; R63.1 v1(81,78.4) R116.1 ; R74.1 v1(98,78.4) ; v4(90.8,78.4) 90.34,77.94 C71.1 ; U14.5 54.6,87.4 v1(55.2,88) ; v1(34.8,88) 34.61,88 34.01,87.4 U11.5 ; v1(63.6,79.4) 64,79.4 R89.1
  Bottom w0.5: v2(32.6,12.8) 32.8,12.6 C41.1 ; v2(32.6,12.8) 32.83,13.03 U5.6 ; v2(32.6,12.8) 32.2,12.4 R31.1 ; 97.89,12.38 97.01,13.25 D1.1
  Bottom w1: R41.1 45.6,25.8 45.94,25.47 ; R42.1 43.2,25.8 43.53,25.47 ; v2(2.8,45.4) v2(3.8,45.4) v2(4.8,45.4) 15.6,45.4 16.08,44.92 J10.10
  Bottom w2: J7.6 J7.4 J7.2
+15V: length 53.7
  Top w0.5: R23.2 93.14,28.25 D3.2
  Top w2: v2(74.6,28.8) v2(74.6,27.8) v2(74.6,26.8) ; v2(74.6,26.8) C44.1 ; v2(74.6,26.8) 77.8,23.6 82,23.6 85.8,27.4 88.99,27.4 91.39,29.8
  Bottom w0.5: R27.2 69,20.4 69.8,21.2 69.6,21.4 U4.2 66.66,24.66 C43.1 64.26,24.66 63,23.4 D6.2
  Bottom w2: v2(74.6,26.8) v2(74.6,28.8) ; U4.2 69.8,27.8 v2(74.6,27.8)
-5V: length 26.9
  Top w0.2: v1(52,15.77) 52.03,15.74 U8.11
  Bottom w0.2: C54.2 v1(52,15.77)
  Bottom w0.5: v1(52,15.77) 52.97,15.77 53.4,16.2 53.4,20.2 52.8,20.8 43,20.8 40.34,18.14 C48.2 39,19.78 L3.2
/5V_JTAG: length 101
  Top w1: J2.5 22,74.6 22.2,74.4 22.2,66.6 17.4,61.8 4,61.8 1.4,59.2 1.4,40.4 4.6,37.2 9.6,37.2 23.88,22.92 J7.1
/5V_USB: length 103.1
  Bottom w0.2: 87.8,64.6 87.8,61.4 88.4,60.8 R141.2
  Bottom w1: 84.42,62.85 84.42,63.62 85.4,64.6 95,64.6 96.2,63.4 96.2,34.6 94.4,32.8 66.6,32.8 63.4,29.6 63.4,26.4 59.93,22.92 J7.5
/VBAT: length 40.7
  Top w0.2: v1(42,48.2) 42,47.99 41.75,47.74 U1.8 41.75,45.91 37.64,41.8 v2(24.4,41.8)
  Bottom w0.2: v1(42,48.2) 42.4,48.6 C10.1 43.26,50.2 45.2,50.2 46.6,51.6 47.08,51.6 ; R2.2 24.4,36.8 v2(24.4,41.8)
GND: length 208.4
  Top w0.2: v1(52,67.2) 52,67.21 52.25,67.46 U1.80 ; R77.2 v1(98,75) ; U1.33 54.25,48.05 v1(54.4,48.2) 54.75,47.85 U1.34 ; U1.141 37.55,50.35 v1(37.6,50.3) ; U1.128 37.45,56.85 v1(37.6,57) ; U2.44 71.15,42.75 v1(71.4,43) 72,43 72.15,42.85 U2.46 ; U2.15 72.15,48.85 72.4,48.6 v1(73,48.6) ; v4(71.2,79.2) 70.8,78.8 U9.11 ; R95.2 63.8,82.6 v1(63.6,82.4) ; 87.32,78.8 88.4,78.8 v4(88.8,79.2) ; v1(37.6,62) 37.45,61.85 U1.118 ; U1.12 43.75,48.01 v1(43.56,48.2) ; v1(56.4,50.6) 56.61,50.6 56.86,50.85 U1.41 ; U2.6 73.35,45.55 v1(73.2,45.4) 73.55,45.05 U2.5 ; v1(40.2,67.2) 40.25,67.25 U1.104 ; R140.1 v2(82.4,56) ; R123.2 v1(81,75) R66.2 ; U1.6 40.75,47.85 v1(40.4,48.2) ; v1(56.35,64.85) U1.69 ; R121.2 v1(97,85) ; U1.18 46.75,48.23 v1(46.94,48.42) ; v1(56.4,57.8) 56.81,57.8 56.86,57.85 U1.55 ; R96.2 v1(65,74) ; U1.14 44.75,47.95 v1(45,48.2) 45.6,48.2 45.75,48.05 U1.16 ; U1.89 47.75,67.25 v1(47.8,67.2) ; v2(2.31,76.09) 1.64,76.09 C25.2 ; U2.33 67.55,44.55 v1(67.6,44.6) ; C21.2 61.86,39.86 v1(62,40) 62.05,40.05 X1.2
  Top w0.25: R59.2 v2(58.2,20.8) ; v2(45.8,21.8) 44.4,20.4 R54.2
  Top w0.5: R51.2 v2(58.2,11.17) ; v2(33.6,33.8) 33.5,33.7 U6.1 ; v2(39.2,14) 39.2,16.4 v2(39,16.6) 39,16.8 37.2,18.6 L2.2 ; R53.2 v2(44.4,11.17) ; C46.1 v2(38.2,26.8) v2(39.2,26.8)
  Top w1: U6.1 v2(32.25,32.05) v2(31.05,32.05) v2(29.85,32.05) 28.45,32.05 C50.2 ; 62.4,25 63,25 v2(64.8,26.8) ; v2(73.8,14.2) v2(74.8,14.2) ; v2(73.8,14.2) C39.2 ; v2(73.8,14.2) v2(72.8,14.2) ; v2(64.8,26.8) v2(64.8,28) v2(64.8,29) ; v2(64.8,26.8) C44.2 ; C51.2 v2(23.6,10.2) v2(23.6,11.2) v2(23.6,12.2) v2(23.6,13.2) v2(23.6,14.2)
  In2.Cu w0.2: 54.4,47.6 v1(54.4,48.2)
  Bottom w0.2: v1(34.8,86.8) 35.4,87.4 U11.2 ; v1(14.4,86.8) 15,87.4 U12.2 ; C1.2 72.74,48.86 v1(73,48.6) ; C54.1 51.34,18.83 v1(51.2,18.97) 51.06,18.83 C53.2 ; C3.1 v1(42.26,39.74) C4.1 ; v1(37.6,50.3) 38.64,50.3 C24.2 ; v4(71.2,79.2) 71.66,79.66 C61.2 ; C27.2 40.14,64.14 40.2,64.2 ; C35.1 88.74,45.26 88.8,45.2 v2(89,45.2) ; C71.2 89.26,79.66 v4(88.8,79.2) ; C13.2 40.26,64.14 40.2,64.2 ; C22.2 57,50 v1(56.4,50.6) ; 8.92,72.44 10.1,72.44 J1.9 ; C19.1 55.86,42.34 v1(55.8,42.4) ; 40.2,64.2 v1(40.2,67.2) ; v2(89,41.8) 88.86,41.66 C36.1 ; v1(55.2,86.8) 55.8,87.4 U14.2 ; C38.2 72.26,45.4 v1(73.2,45.4) ; v1(45.8,42.4) 45.74,42.34 C14.1 ; R142.1 v2(94.2,59.8) ; U13.2 76.2,87.4 v1(75.6,86.8)
  Bottom w0.5: C48.1 39,14.2 ; 39,14.2 v2(39,16.6) ; 39,14.2 v2(39.2,14) R34.1 ; v2(90.2,15.2) 90.54,14.86 Q1.2 ; R28.1 v2(75,20) 75.2,20.2 R25.1 ; v2(95.8,26) 96.45,25.35 Q2.2 ; v2(33.6,33.8) 33.8,34 C45.2 ; C75.2 65.46,98.46 v2(65.6,98.6) 65.74,98.46 C69.2 ; C76.2 75.74,98.46 v2(75.6,98.6) 75.46,98.46 C79.2 ; C56.2 24.94,98.46 v2(24.8,98.6) 24.66,98.46 C59.2 ; v2(32.25,32.05) 33.34,30.96 C49.2 ; C68.2 45.34,98.46 v2(45.2,98.6) 45.06,98.46 C57.2 ; C80.2 55.26,98.46 v2(55.4,98.6) 55.54,98.46 C77.2 ; C41.2 v2(35.26,11.86) ; C8.2 43.72,52 v2(43,52) 43,51.66 C10.2 ; C70.2 85.66,98.46 v2(85.8,98.6) 85.94,98.46 C78.2 ; C66.2 34.86,98.46 v2(35,98.6) 35.14,98.46 C60.2 ; C40.2 v2(65.2,22) C43.2 ; R29.1 v2(58.2,7.8) ; J1.6 v2(2.31,76.09) ; C65.2 14.74,98.46 v2(14.6,98.6) 14.46,98.46 C67.2
  Bottom w1: v2(23.6,10.2) D9.2 19.3,18.3 18.4,19.2 ; D5.2 72.35,14.65 v2(72.8,14.2) v2(74.8,14.2) ; C55.2 v2(51.2,87.6) ; C58.2 v2(92,87.6) ; C63.2 v2(30.8,87.6) ; C74.2 v2(59.2,87.6) ; U7.3 U7.3 17.8,20.8 18.2,20.4 ; C64.2 v2(18.4,87.6) ; U7.5 17.4,17.4 18.2,18.2 18.2,20.4 ; 18.2,20.4 C47.2 ; C73.2 v2(71.6,87.6) ; C72.2 v2(79.6,87.6) ; C62.2 v2(38.8,87.6)
  vias: v2(12.4,74.4) v2(40,60) v2(42.5,62.5) v2(42.5,57.5) v2(45,65) v2(45,60) v2(47.5,62.5) v2(47.5,57.5) v2(50,65) v2(50,60) v2(50,55) v2(50,50.8) v2(52.5,62.5) v2(52.5,57.5) v2(52.5,52.5) v2(55,55) v3(5,95) v3(5,5) v3(95,95) v3(95,5)
VDD: length 197.2
  Top w0.2: D24.2 1.6,80.09 1.6,78.99 v2(2.3,78.3) 1.63,78.3 C25.1 ; v1(37.6,56.2) 37.45,56.35 U1.129 ; U1.56 56.86,58.35 56.61,58.6 v1(56.4,58.6) ; U1.71 56.65,65.85 v1(56.6,65.8) 57.05,65.35 U1.70 ; v1(47.6,48.2) 47.25,47.85 U1.19 ; v1(47,67.2) 46.4,67.2 46.25,67.35 U1.92 ; v1(47,67.2) 47.25,67.45 U1.90 ; v1(47,67.2) 46.8,67.2 46.75,67.25 U1.91 ; v1(56.4,51.4) 56.45,51.35 U1.42 ; v1(41.2,48.2) 41.25,48.15 U1.7 ; L1.1 68.8,36.8 v1(68.6,37) ; U1.105 39.75,67.55 v1(39.4,67.2) 39.25,67.35 U1.106 ; U1.13 44.25,48.15 44.2,48.2 44.22,48.22 v1(44.26,48.22) ; X1.4 X1.1 59.95,40.05 v1(60,40) 60.14,39.86 C21.1 ; v1(69.8,43) 69.65,42.85 U2.41 ; U1.32 53.75,48.05 v1(53.6,48.2) ; v1(67.6,46.2) 67.45,46.05 U2.30 ; U1.144 37.25,48.85 v1(37.6,49.2) 37.45,49.35 U1.143 ; v1(56,48.2) 55.75,47.95 U1.36 ; v1(68.2,48.6) 68.15,48.65 U2.23 ; R138.2 v2(82.6,62.6) ; v1(53,67.21) 52.75,67.46 U1.79 ; U1.119 37.45,61.35 v1(37.6,61.2)
  Top w0.5: v2(36,29.8) 35.8,30 U6.2 ; v2(9.8,78.8) v2(8.8,78.8) 3.04,78.8 2.53,78.3 v2(2.3,78.3)
  Top w1: U6.2 U6.2 v2(32.75,38.35) v2(31.55,38.35) v2(30.15,38.35) 29.25,38.35 C50.1
  In1.Cu w0.2: 41.2,49 v1(41.2,48.2) 41.2,47.6 ; 44.4,49.2 44.26,49.06 v1(44.26,48.22) 44.26,47.34
  In1.Cu w1: J12.5 7.2,50.31 7.2,44.07 J10.2
  Bottom w0.2: C31.1 55.46,52.4 55.8,52.4 56.4,51.8 v1(56.4,51.4) ; C33.1 68.74,48.06 v1(68.2,48.6) ; v2(44.4,57.4) 44.2,57.2 R4.2 ; v2(82.6,62.6) 82.6,58 83.2,57.4 86.8,57.4 88.65,59.25 D52.1 ; R10.2 67.2,46.6 v1(67.6,46.2) 68.34,46.2 C34.1 C32.1 ; 90.8,52.6 90.8,48.9 92.61,47.09 J4.L3 ; 90.8,52.6 92.8,52.6 94.4,51 94.4,37 93.42,36.02 J4.L1 ; 90.8,52.6 83,52.6 ; C16.1 37.74,56.34 v1(37.6,56.2) ; C22.1 56.46,47.74 v1(56,48.2) ; v1(48.6,29.8) 48.6,29.25 D21.1 D22.1 D20.1 54.4,29 v1(55.6,30.2) 56.8,29 D23.1 D19.1 D18.1 ; v1(41.2,48.2) 41.2,49.2 41.06,49.34 C30.1 ; v1(37.6,49.2) 38.06,48.74 C24.1 ; v1(37.6,61.2) 38.26,60.54 C20.1 ; v1(44.26,48.22) 44.26,49.34 44.2,49.4 C17.1 ; R1.1 51.4,51.34 C18.1 53.4,48.4 v1(53.6,48.2) ; R60.1 R8.1 68.4,37.2 v1(68.6,37) 68.8,37.2 R6.1 ; v1(56.4,58.6) 56.4,59.6 C2.1 ; C27.1 39.2,67 v1(39.4,67.2) ; C26.1 47.94,48.54 v1(47.6,48.2) ; v1(53,67.21) 53.26,66.95 C29.1 ; v1(56.6,65.8) 55.54,66.86 C15.1 ; C23.1 46.54,66.74 v1(47,67.2) ; J1.4 v2(2.3,78.3)
  Bottom w0.5: C49.1 v2(36,29.8) ; v2(75.8,52.6) 83,52.6 83.25,52.85 83.25,57.35 83.2,57.4
VDDA: length 15.1
  Top w0.2: U2.1 73.95,43.05 v1(73.2,43.8) 73.45,43.55 U2.2 ; v1(72,38.8) 72,38.4 73.6,36.8 L1.2
  Bottom w0.2: C37.1 73.25,43.85 v1(73.2,43.8) 72.26,43.8 C38.1 72.2,41.46 FB1.1 72.14,38.94 v1(72,38.8)
/C_SENSE_CORE: length 30.7
  Top w0.2: v1(52,44) 51.75,44.25 U1.28 ; v1(52,41.4) 52,38.6 52.4,38.2 RN11.5
  Bottom w0.2: v1(52.4,35.6) 53.8,35.6 56.8,32.6 D23.2 ; v1(52,44) v1(52,41.4)
/C_SENSE_EXT_A: length 26.6
  Top w0.2: RN11.7 50.8,37.8 51,38 51,41.4 49.05,43.35 49.05,44.93 49.25,45.13 U1.23
  Bottom w0.2: v1(50.8,30.6) 51.95,31.75 D22.2
/C_SENSE_EXT_B: length 29.3
  Top w0.2: RN11.6 v1(51.6,38) ; v1(50.4,39.2) 50.4,41.4 48.65,43.15 48.65,45.09 48.75,45.19 U1.22
  Bottom w0.2: D20.2 54.4,32.6 53.2,33.8 v1(51.6,33.8) ; v1(50.4,39.2) v1(51.6,38)
/C_SENSE_MAIN: length 26.7
  Top w0.2: U1.24 49.75,44.85 49.45,44.55 49.45,43.55 50.4,42.6 v1(50.6,42.6) ; v1(50.4,38.4) 50.4,33.2 50,32.8 ; 50,32.8 49.8,32.6 v1(49.6,32.6) ; 50,32.8 RN11.8
  Bottom w0.2: v1(50.6,42.6) 49.8,41.8 49.8,39 v1(50.4,38.4) ; D21.2 v1(49.6,32.6)
/C_SENSE_PORT0: length 52.3
  Top w0.2: v1(60,52.4) 59.55,52.85 U1.45 ; RN6.8 91,70.9 89.9,69.8 78.1,69.8 72.6,64.3 v1(72.6,54.4) 71.8,53.6 v1(61.8,53.6)
  Bottom w0.2: D14.2 v1(72.6,54.4) ; v1(61.8,53.6) 61.2,53.6 v1(60,52.4)
/C_SENSE_PORT1: length 50
  Top w0.2: U1.49 70.85,54.85 72,56 v1(72,56.8) 72,64.27 77.93,70.2 89.5,70.2 90.2,70.9 RN6.7
  Bottom w0.2: v1(72,56.8) D15.2
